# KiCad board A0180_eol_ecu_mix.kicad_pcb (continued)
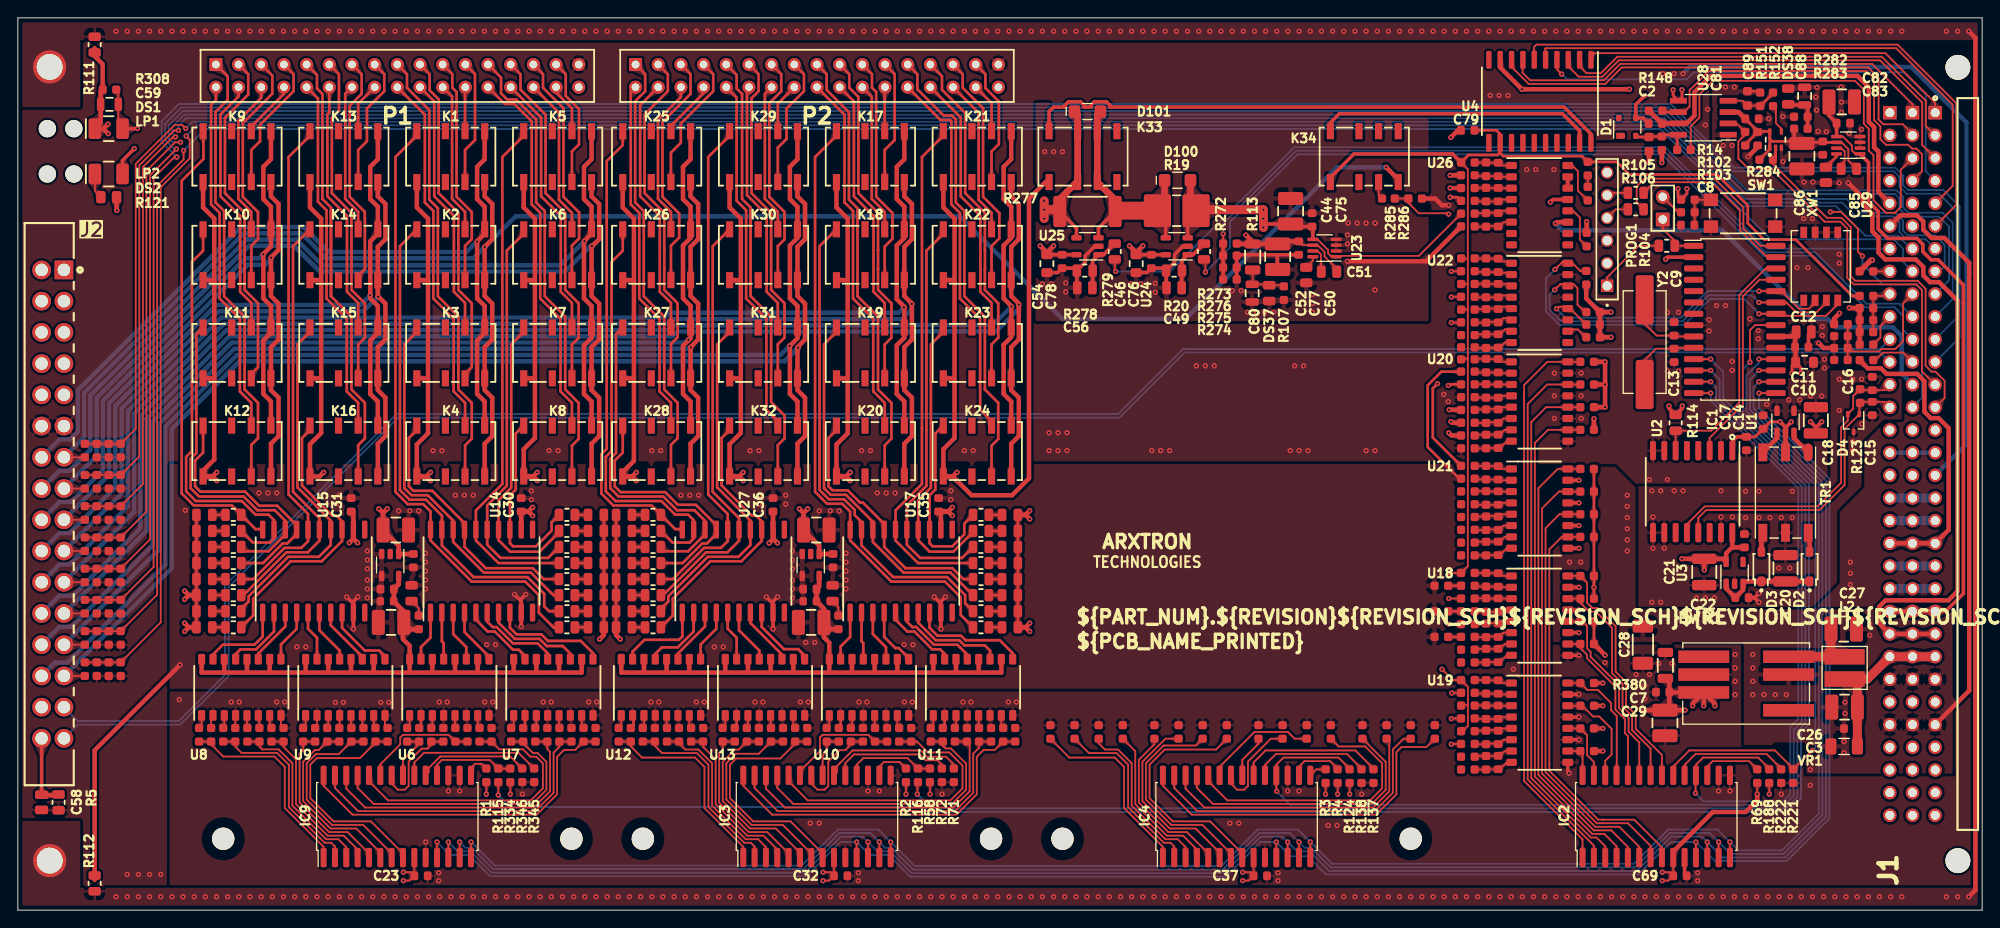
[diagram p0: board, top side]
## Footprints (pads in the part's own frame, mm; a bottom-side part is the same pattern mirrored in y, then rotated) (continued)
RESC1608X65N
  rrect 0.91x0.93 smd: 1(-0.76,0) 2(0.76,0)
RESC1608X65N#2
  rrect 0.91x0.93 smd: 1(-0.71,0) 2(0.71,0)
RESC2012X55N
  rrect 1.06x1.38 smd: 1(-0.88,0) 2(0.88,0)
RESC2012X65N
  rrect 0.96x1.38 smd: 1(-0.885,0) 2(0.885,0)
RESC3116X65N
  rrect 1.02x1.73 smd: 1(-1.455,0) 2(1.455,0)
RESC6331X50
  rrect 1.45x3.5 smd: 1(-3.1,0) 2(3.1,0)
RESC6331X88
  rrect 3.05x3.68 smd: 1(-2.16,0) 2(2.16,0)
SAMTEC_SLW-117-01-X-D
  rect 1.46x1.46 hole 0.86: 1(-20.32,1.27)
  round 1.46 hole 0.86: 2(-20.32,-1.27) 3(-17.78,1.27) 4(-17.78,-1.27) 5(-15.24,1.27) 6(-15.24,-1.27) 7(-12.7,1.27) 8(-12.7,-1.27) 9(-10.16,1.27) 10(-10.16,-1.27) 11(-7.62,1.27) 12(-7.62,-1.27) 13(-5.08,1.27) 14(-5.08,-1.27) 15(-2.54,1.27) 16(-2.54,-1.27) 17(0,1.27) 18(0,-1.27) 19(2.54,1.27) 20(2.54,-1.27) 21(5.08,1.27) 22(5.08,-1.27) 23(7.62,1.27) 24(7.62,-1.27) 25(10.16,1.27) 26(10.16,-1.27) 27(12.7,1.27) 28(12.7,-1.27) 29(15.24,1.27) 30(15.24,-1.27) 31(17.78,1.27) 32(17.78,-1.27) 33(20.32,1.27) 34(20.32,-1.27)
SAMTEC_SSW-106-02-G-S
  rect 1.39x1.39 hole 1.04: 1(0,0)
  round 1.39 hole 1.04: 2(2.54,0) 3(5.08,0) 4(7.62,0) 5(10.16,0) 6(12.7,0)
SOD3716X118
  rrect 1.104x0.849 smd: 1(-1.658,0) 2(1.658,0)
SODFL3516X110
  rrect 1.3x1.4 smd: 1(-1.45,0) 2(1.45,0)
SOIC8P127_508X599X330L65X40
  rect 1.91x0.64 smd: 1(-2.79,1.905) 2(-2.79,0.635) 3(-2.79,-0.635) 4(-2.79,-1.905) 5(2.79,-1.905) 6(2.79,-0.635) 7(2.79,0.635) 8(2.79,1.905)
SOIC28P127_1786X1034X264L83X43N
  rrect 2.16x0.67 smd: 1(-4.61,8.255) 2(-4.61,6.985) 3(-4.61,5.715) 4(-4.61,4.445) 5(-4.61,3.175) 6(-4.61,1.905) 7(-4.61,0.635) 8(-4.61,-0.635) 9(-4.61,-1.905) 10(-4.61,-3.175) 11(-4.61,-4.445) 12(-4.61,-5.715) 13(-4.61,-6.985) 14(-4.61,-8.255) 15(4.61,-8.255) 16(4.61,-6.985) 17(4.61,-5.715) 18(4.61,-4.445) 19(4.61,-3.175) 20(4.61,-1.905) 21(4.61,-0.635) 22(4.61,0.635) 23(4.61,1.905) 24(4.61,3.175) 25(4.61,4.445) 26(4.61,5.715) 27(4.61,6.985) 28(4.61,8.255)
SOIC127P700X220-16
  rrect 1.2x0.8 smd: 1(-3.15,4.445) 2(-3.15,3.175) 3(-3.15,1.905) 4(-3.15,0.635) 5(-3.15,-0.635) 6(-3.15,-1.905) 7(-3.15,-3.175) 8(-3.15,-4.445) 9(3.15,-4.445) 10(3.15,-3.175) 11(3.15,-1.905) 12(3.15,-0.635) 13(3.15,0.635) 14(3.15,1.905) 15(3.15,3.175) 16(3.15,4.445)
SOIC127P1030X265-16
  rrect 2.156x0.659 smd: 1(-4.592,4.445) 2(-4.592,3.175) 3(-4.592,1.905) 4(-4.592,0.635) 5(-4.592,-0.635) 6(-4.592,-1.905) 7(-4.592,-3.175) 8(-4.592,-4.445) 9(4.592,-4.445) 10(4.592,-3.175) 11(4.592,-1.905) 12(4.592,-0.635) 13(4.592,0.635) 14(4.592,1.905) 15(4.592,3.175) 16(4.592,4.445)
SOIC127P1030X265-20
  rrect 2x0.6 smd: 1(-4.65,5.715) 2(-4.65,4.445) 3(-4.65,3.175) 4(-4.65,1.905) 5(-4.65,0.635) 6(-4.65,-0.635) 7(-4.65,-1.905) 8(-4.65,-3.175) 9(-4.65,-4.445) 10(-4.65,-5.715) 11(4.65,-5.715) 12(4.65,-4.445) 13(4.65,-3.175) 14(4.65,-1.905) 15(4.65,-0.635) 16(4.65,0.635) 17(4.65,1.905) 18(4.65,3.175) 19(4.65,4.445) 20(4.65,5.715)
SOT65P210X110-3
  rrect 0.7x0.42 smd: 1(-1,0.65) 2(-1,-0.65) 3(1,0)
SOT65P210X110-5
  rrect 0.71x0.369 smd: 1(-0.91,0.65) 2(-0.91,0) 3(-0.91,-0.65) 4(0.91,-0.65) 5(0.91,0.65)
SOT65P280X100-8
  rrect 1.22x0.4 smd: 1(-1.31,0.975) 2(-1.31,0.325) 3(-1.31,-0.325) 4(-1.31,-0.975) 5(1.31,-0.975) 6(1.31,-0.325) 7(1.31,0.325) 8(1.31,0.975)
SOT95P280X145-5N
  rrect 1.16x0.61 smd: 1(-1.23,0.95) 2(-1.23,0) 3(-1.23,-0.95) 4(1.23,-0.95) 5(1.23,0.95)
SOT143-4P190_230X110L30X43
  rrect 0.7x1 smd: 1(-1,0.75)
  rrect 0.7x0.6 smd: 2(-1,-0.95) 3(1,-0.95) 4(1,0.95)
TE_5536437-4
  round 2.79 hole 2.79 unplated: (-44.45,-2.54) (44.45,-2.54)
  rect 1.508x1.508 hole 1: A1(39.37,0) B1(39.37,2.54) C1(39.37,5.08)
  round 1.508 hole 1: A2(36.83,0) A3(34.29,0) A4(31.75,0) A5(29.21,0) A6(26.67,0) A7(24.13,0) A8(21.59,0) A9(19.05,0) A10(16.51,0) A11(13.97,0) A12(11.43,0) A13(8.89,0) A14(6.35,0) A15(3.81,0) A16(1.27,0) A17(-1.27,0) A18(-3.81,0) A19(-6.35,0) A20(-8.89,0) A21(-11.43,0) A22(-13.97,0) A23(-16.51,0) A24(-19.05,0) A25(-21.59,0) A26(-24.13,0) A27(-26.67,0) A28(-29.21,0) A29(-31.75,0) A30(-34.29,0) A31(-36.83,0) A32(-39.37,0) B2(36.83,2.54) B3(34.29,2.54) B4(31.75,2.54) B5(29.21,2.54) B6(26.67,2.54) B7(24.13,2.54) B8(21.59,2.54) B9(19.05,2.54) B10(16.51,2.54) B11(13.97,2.54) B12(11.43,2.54) B13(8.89,2.54) B14(6.35,2.54) B15(3.81,2.54) B16(1.27,2.54) B17(-1.27,2.54) B18(-3.81,2.54) B19(-6.35,2.54) B20(-8.89,2.54) B21(-11.43,2.54) B22(-13.97,2.54) B23(-16.51,2.54) B24(-19.05,2.54) B25(-21.59,2.54) B26(-24.13,2.54) B27(-26.67,2.54) B28(-29.21,2.54) B29(-31.75,2.54) B30(-34.29,2.54) B31(-36.83,2.54) B32(-39.37,2.54) C2(36.83,5.08) C3(34.29,5.08) C4(31.75,5.08) C5(29.21,5.08) C6(26.67,5.08) C7(24.13,5.08) C8(21.59,5.08) C9(19.05,5.08) C10(16.51,5.08) C11(13.97,5.08) C12(11.43,5.08) C13(8.89,5.08) C14(6.35,5.08) C15(3.81,5.08) C16(1.27,5.08) C17(-1.27,5.08) C18(-3.81,5.08) C19(-6.35,5.08) C20(-8.89,5.08) C21(-11.43,5.08) C22(-13.97,5.08) C23(-16.51,5.08) C24(-19.05,5.08) C25(-21.59,5.08) C26(-24.13,5.08) C27(-26.67,5.08) C28(-29.21,5.08) C29(-31.75,5.08) C30(-34.29,5.08) C31(-36.83,5.08) C32(-39.37,5.08)
TRACO_TCK-131
  rect 4.5x1.75 smd: 1(0,-1.25) 2(0,1.25)
TRACO_TDN_3WISM
  rect 5.7x1.4 smd: 1(4.75,3) 2(4.75,1) 4(4.75,-3) 5(-4.75,3) 6(-4.75,1) 7(-4.75,-1)
VARC3216X170N
  rrect 1.24x1.82 smd: 1(-1.485,0) 2(1.485,0)
WURTH_760390015
  rrect 2x1 smd: 1(-4.505,2.54)
  rect 2x1 smd: 2(-4.505,0) 3(-4.505,-2.54) 4(4.505,-2.54) 5(4.505,0) 6(4.505,2.54)
WURTH_61300211121
  rect 1.54x1.54 hole 0.95: 1(0,0)
  round 1.54 hole 0.95: 2(2.54,0)
XTAL1140X470X430
  rrect 5.5x2 smd: 1(-4.75,0) 2(4.75,0)

## Nets
/3V3: C7.1 C10.1 C11.1 C12.1 C14.1 C17.1 C18.1 C23.1 C29.1 C32.1 C37.1 C69.1 IC1.20 IC2.9 IC3.9 IC4.9 IC9.9 PROG1.2 PWR1.7 R1.2 R2.2 R3.1 R4.1 R58.2 R69.2 R102.2 R114.1 R124.2 R142.1 R188.2 R195.1 R196.1 R197.1 R198.1 R199.1 R200.1 R201.1 R202.1 R229.1 R230.1 R231.1 R232.1 R233.1 R234.1 R235.1 R236.1 R265.1 R266.1 R267.1 R268.1 R334.2 R380.1 TR1.2 U1.2 U2.1
/5V_NI: C2.1 J1.C5 R148.2 R211.1 U28.7
/24V_PWR: C3.1 C24.2 C26.1 C30.2 C31.2 C33.2 C35.2 C36.2 C60.1 C65.1 C79.1 DS3.2 DS4.2 DS5.2 DS6.2 DS7.2 DS8.2 DS9.2 DS10.2 DS11.2 DS12.2 DS13.2 DS14.2 DS15.2 DS16.2 DS17.2 DS18.2 DS19.2 DS20.2 DS21.2 DS22.2 DS23.2 DS24.2 DS25.2 DS26.2 DS27.2 DS28.2 DS29.2 DS30.2 DS31.2 DS32.2 DS33.2 DS34.2 J1.A25 J1.B25 J1.C25 K1.1 K2.1 K3.1 K4.1 K5.1 K6.1 K7.1 K8.1 K9.1 K10.1 K11.1 K12.1 K13.1 K14.1 K15.1 K16.1 K17.1 K18.1 K19.1 K20.1 K21.1 K22.1 K23.1 K24.1 K25.1 K26.1 K27.1 K28.1 K29.1 K30.1 K31.1 K32.1 K33.1 K34.1 L2.1 R6.1 R17.2 R147.2 R171.1 R173.1 R175.1 R179.1 R181.1 R183.1 R203.1 R253.1 R255.1 R257.1 U4.12 U5.1 U14.12 U15.12 U16.1 U17.12 U27.12 VR1.1
/CAN/5V_ISO: C19.2 C21.1 U2.16 U3.5
/CURRENT_MEAS/5V_AMP: C46.2 C51.2 C52.1 C54.2 C76.2 C77.2 C78.2 R113.2 R273.1 U23.6 U24.5 U25.5
/DC&RSU_SIM_CTRL/5V_SIM: C81.1 C85.2 C86.1 C87.2 C90.1 R150.2 R283.2 R284.2 U28.3 U29.6 U30.1 U30.5
/IO_EXPANDER_#1/5V_CTRL: C25.2 C62.1 C64.2 R139.1 U5.5 U6.10 U6.12 U6.14 U6.16 U7.10 U7.12 U7.14 U7.16 U8.10 U8.12 U8.14 U8.16 U9.10 U9.12 U9.14 U9.16
/IO_EXPANDER_#2/5V_CTRL: C34.2 C67.1 C70.2 R140.1 U10.10 U10.12 U10.14 U10.16 U11.10 U11.12 U11.14 U11.16 U12.10 U12.12 U12.14 U12.16 U13.10 U13.12 U13.14 U13.16 U16.5
GND_3V3: C7.2 C8.2 C9.2 C10.2 C11.2 C12.2 C13.2 C14.2 C17.2 C18.2 C23.2 C28.2 C29.2 C32.2 C37.2 C69.2 IC1.8 IC1.19 IC2.10 IC2.15 IC2.16 IC3.10 IC3.15 IC3.17 IC4.10 IC4.17 IC9.10 IC9.16 IC9.17 PROG1.3 PWR1.6 R53.2 R54.2 R55.2 R56.2 R57.2 R59.2 R60.2 R61.2 R62.2 R63.2 R64.2 R65.2 R66.2 R67.2 R68.2 R70.2 R71.2 R72.2 R117.2 R118.2 R119.2 R120.2 R121.2 R122.2 R125.2 R126.2 R127.2 R128.2 R129.2 R130.2 R131.2 R133.2 R134.2 R135.2 R136.2 R137.2 R138.2 R143.1 R221.2 R222.2 R328.2 R329.2 R330.2 R331.2 R332.2 R333.2 R335.2 R336.2 R337.2 R338.2 R339.2 R340.2 R341.2 R342.2 R343.2 R344.2 R345.2 R346.2 R380.2 SW1.1 SW1.2 U1.4 U1.5 U2.2 U2.7 U2.8 U6.2 U6.4 U6.6 U6.8 U7.2 U7.4 U7.6 U7.8 U8.2 U8.4 U8.6 U8.8 U9.2 U9.4 U9.6 U9.8 U10.2 U10.4 U10.6 U10.8 U11.2 U11.4 U11.6 U11.8 U12.2 U12.4 U12.6 U12.8 U13.2 U13.4 U13.6 U13.8 U18.9 U18.11 U18.13 U18.15 U19.9 U19.11 U19.13 U19.15 U20.9 U20.11 U20.13 U20.15 U21.9 U21.11 U21.13 U21.15 U22.11 U22.13 U22.15 XW1.A1 XW1.A2 XW1.A3
GND_24V: C1.1 C2.2 C3.2 C24.1 C25.1 C26.2 C27.2 C28.1 C30.1 C31.1 C33.1 C34.1 C35.1 C36.1 C59.2 C60.2 C62.2 C64.1 C65.2 C67.2 C70.1 C79.2 D1.3 DS1.1 DS35.1 DS36.1 J1.A26 J1.A28 J1.B26 J1.B28 J1.C6 J1.C26 J1.C28 PWR1.2 R13.2 R15.1 R16.1 R18.1 R111.2 R112.2 R141.1 R149.2 R204.1 R212.1 R269.2 R270.2 R271.2 R308.2 U4.9 U5.3 U5.4 U14.9 U15.9 U16.3 U16.4 U17.9 U27.9 U28.5 VR1.2
GND_CAN: C15.2 C16.2 C19.1 C20.2 C21.2 C22.2 D4.3 TR1.5 U2.9 U2.10 U2.15 U3.2
GND_ESD: FP1.M1 FP1.M2 R111.1 R112.1
GND_PS: C58.1 J1.A15 J1.A17 J1.B15 J1.B17 J1.C15 J1.C17 J2.11 J2.12 P1.33 P2.33 R5.1 R7.1 R8.1 R10.1 R158.2 R160.2 R162.2 R164.2 R165.2 R166.2 R167.2 R168.2 R169.2 R170.2 R206.1 R210.1 R237.2 R238.2 R240.2 R242.2 R244.2 R246.2 R247.2 R248.2 R249.2 R250.2 R251.2 R252.2 R280.2 R281.2 R286.1
GND_SIM: C81.2 C82.2 C83.1 C84.1 C86.2 C87.1 C88.1 C89.1 C90.2 DS38.1 J1.A24 J1.B24 J1.C24 R151.2 R208.1 R282.1 U28.1 U29.2 U29.3 U29.4 U30.3
/AI#1+: J1.A7 R157.2 R158.1 R165.1 R169.1
/AI#1-: J1.A8 R159.2 R160.1 R166.1 R170.1
/AI#2+: J1.A9 R161.2 R162.1 R167.1 R237.1
/AI#2-: J1.A10 R163.2 R164.1 R168.1 R238.1
/AI#3+: J1.A11 R239.2 R240.1 R247.1 R251.1
/AI#3-: J1.A12 R241.2 R242.1 R248.1 R252.1
/AI#4+: J1.B7 R245.2 R246.1 R250.1 R281.1
/AI#4-: J1.B8 R243.2 R244.1 R249.1 R280.1
/AI#5+: J1.B9 R7.2 R8.2 R9.1 R10.2
/AI#5-: J1.B10 R273.2 R274.2 R275.2 R276.2
/AI#6+: J1.B11 R272.2
/AI#6-: J1.B12 R11.1
/AI#7+: J1.C7 R279.2
/AI#7-: J1.C8 R12.1
/AI#8+: J1.C9 R15.2 R16.2 R17.1 R18.2
/AI#8-: J1.C10 R13.1
/APFI0: J1.B14 R285.1 R286.2
/AUX_PWR: J1.A22 J1.B22 J1.C22 R209.1
/CAN/ECAN0Rx: IC1.25 U2.3
/CAN/ECAN0Tx: IC1.26 R114.2 U2.6
/CFG_CH#0: J2.13 K1.4 K2.4 K3.4 K4.4 K34.4 R157.1
/CFG_CH#1: J2.15 K5.4 K6.4 K7.4 K8.4 R159.1
/CFG_CH#2: J2.17 K9.4 K10.4 K11.4 K12.4 R161.1
/CFG_CH#3: J2.19 K13.4 K14.4 K15.4 K16.4 R163.1
/CFG_CH#4: J2.21 K17.4 K18.4 K19.4 K20.4 R239.1
/CFG_CH#5: J2.23 K21.4 K22.4 K23.4 K24.4 R241.1
/CFG_CH#6: J2.25 K25.4 K26.4 K27.4 K28.4 R243.1
/CFG_CH#7: J2.27 K29.4 K30.4 K31.4 K32.4 R245.1
/CFG_CH[0..3]/CFG_CH#0.0: K1.3 P1.23
/CFG_CH[0..3]/CFG_CH#0.1: K2.3 P1.21
/CFG_CH[0..3]/CFG_CH#0.2: K3.3 P1.19
/CFG_CH[0..3]/CFG_CH#0.3: K4.3 P1.17
/CFG_CH[0..3]/CFG_CH#1.0: K5.3 P1.31
/CFG_CH[0..3]/CFG_CH#1.1: K6.3 P1.29
/CFG_CH[0..3]/CFG_CH#1.2: K7.3 P1.27
/CFG_CH[0..3]/CFG_CH#1.3: K8.3 P1.25
/CFG_CH[0..3]/CFG_CH#2.0: K9.3 P1.7
/CFG_CH[0..3]/CFG_CH#2.1: K10.3 P1.5
/CFG_CH[0..3]/CFG_CH#2.2: K11.3 P1.3
/CFG_CH[0..3]/CFG_CH#2.3: K12.3 P1.1
/CFG_CH[0..3]/CFG_CH#4.0: K13.3 P1.15
/CFG_CH[0..3]/CFG_CH#4.1: K14.3 P1.13
/CFG_CH[0..3]/CFG_CH#4.2: K15.3 P1.11
/CFG_CH[0..3]/CFG_CH#4.3: K16.3 P1.9
/CFG_CH[0..3]/RTN_CFG_CH#0.0: K1.6 P1.24
/CFG_CH[0..3]/RTN_CFG_CH#0.1: K2.6 P1.22
/CFG_CH[0..3]/RTN_CFG_CH#0.2: K3.6 P1.20
/CFG_CH[0..3]/RTN_CFG_CH#0.3: K4.6 P1.18
/CFG_CH[0..3]/RTN_CFG_CH#1.0: K5.6 P1.32
/CFG_CH[0..3]/RTN_CFG_CH#1.1: K6.6 P1.30
/CFG_CH[0..3]/RTN_CFG_CH#1.2: K7.6 P1.28
/CFG_CH[0..3]/RTN_CFG_CH#1.3: K8.6 P1.26
/CFG_CH[0..3]/RTN_CFG_CH#2.0: K9.6 P1.8
/CFG_CH[0..3]/RTN_CFG_CH#2.1: K10.6 P1.6
/CFG_CH[0..3]/RTN_CFG_CH#2.2: K11.6 P1.4
/CFG_CH[0..3]/RTN_CFG_CH#2.3: K12.6 P1.2
/CFG_CH[0..3]/RTN_CFG_CH#4.0: K13.6 P1.16
/CFG_CH[0..3]/RTN_CFG_CH#4.1: K14.6 P1.14
/CFG_CH[0..3]/RTN_CFG_CH#4.2: K15.6 P1.12
/CFG_CH[0..3]/RTN_CFG_CH#4.3: K16.6 P1.10
/CFG_CH[4..7]/CFG_CH#0.0: K17.3 P2.23
/CFG_CH[4..7]/CFG_CH#0.1: K18.3 P2.21
/CFG_CH[4..7]/CFG_CH#0.2: K19.3 P2.19
/CFG_CH[4..7]/CFG_CH#0.3: K20.3 P2.17
/CFG_CH[4..7]/CFG_CH#1.0: K21.3 P2.31
/CFG_CH[4..7]/CFG_CH#1.1: K22.3 P2.29
/CFG_CH[4..7]/CFG_CH#1.2: K23.3 P2.27
/CFG_CH[4..7]/CFG_CH#1.3: K24.3 P2.25
/CFG_CH[4..7]/CFG_CH#2.0: K25.3 P2.7
/CFG_CH[4..7]/CFG_CH#2.1: K26.3 P2.5
/CFG_CH[4..7]/CFG_CH#2.2: K27.3 P2.3
/CFG_CH[4..7]/CFG_CH#2.3: K28.3 P2.1
/CFG_CH[4..7]/CFG_CH#4.0: K29.3 P2.15
/CFG_CH[4..7]/CFG_CH#4.1: K30.3 P2.13
/CFG_CH[4..7]/CFG_CH#4.2: K31.3 P2.11
/CFG_CH[4..7]/CFG_CH#4.3: K32.3 P2.9
/CFG_CH[4..7]/RTN_CFG_CH#0.0: K17.6 P2.24
/CFG_CH[4..7]/RTN_CFG_CH#0.1: K18.6 P2.22
/CFG_CH[4..7]/RTN_CFG_CH#0.2: K19.6 P2.20
/CFG_CH[4..7]/RTN_CFG_CH#0.3: K20.6 P2.18
/CFG_CH[4..7]/RTN_CFG_CH#1.0: K21.6 P2.32
/CFG_CH[4..7]/RTN_CFG_CH#1.1: K22.6 P2.30
/CFG_CH[4..7]/RTN_CFG_CH#1.2: K23.6 P2.28
/CFG_CH[4..7]/RTN_CFG_CH#1.3: K24.6 P2.26
/CFG_CH[4..7]/RTN_CFG_CH#2.0: K25.6 P2.8
/CFG_CH[4..7]/RTN_CFG_CH#2.1: K26.6 P2.6
/CFG_CH[4..7]/RTN_CFG_CH#2.2: K27.6 P2.4
/CFG_CH[4..7]/RTN_CFG_CH#2.3: K28.6 P2.2
/CFG_CH[4..7]/RTN_CFG_CH#4.0: K29.6 P2.16
/CFG_CH[4..7]/RTN_CFG_CH#4.1: K30.6 P2.14
/CFG_CH[4..7]/RTN_CFG_CH#4.2: K31.6 P2.12
/CFG_CH[4..7]/RTN_CFG_CH#4.3: K32.6 P2.10
/CURRENT_MEAS/PSa: D100.1 D101.2 K33.3 K33.6 R19.2 R277.1 U24.4 U25.3
/DIO#0: J1.A1 U4.1
/DIO#1: J1.A2 U4.2
/DIO#2: J1.A3 U4.3
/DIO#3: J1.A4 U4.4
/DIO#4: J1.A5 U4.5
/DIO#5: J1.A6 U4.6
/DIO#6: J1.B1 U4.7
/DIO#7: J1.B2 U4.8
/DIO#8: J1.B3 R14.1
/DIO#9: J1.B4 R148.1 U28.6
/DIO#10: J1.B5
/DIO#11: J1.B6
/DIO#12: J1.C1
/DIO#13: J1.C2
/DIO#14: J1.C3
/DIO#15: J1.C4
/DUT_CAN+: J1.C12 J2.31
/DUT_CAN-: J1.C11 J2.29
/DUT_CAN_SHIELD: C58.2 J2.32 R5.2
/DUT_PWR: J1.A16 J1.B16 J1.C16 J2.9 J2.10 P1.34 P2.34 R9.2 R205.1
/DUT_PWR_ON: J1.B13 U26.11
/FUNC_ID_BIT1: R172.1 R269.1
/FUNC_ID_BIT2: R174.1 R270.1
/FUNC_ID_BIT3: R176.1 R271.1
/IO_CAN+: C15.1 D4.1 J1.C14 R123.1 U2.13
/IO_CAN-: C16.1 D4.2 J1.C13 R123.2 U2.12
/IO_EXPANDER_#1/A0: IC9.15 R1.1
/IO_EXPANDER_#1/GPA0: IC9.21 R21.1 R328.1
/IO_EXPANDER_#1/GPA1: IC9.22 R22.1 R329.1
/IO_EXPANDER_#1/GPA2: IC9.23 R23.1 R330.1
/IO_EXPANDER_#1/GPA3: IC9.24 R24.1 R331.1
/IO_EXPANDER_#1/GPA4: IC9.25 R25.1 R332.1
/IO_EXPANDER_#1/GPA5: IC9.26 R26.1 R333.1
/IO_EXPANDER_#1/GPA6: IC9.27 R27.1 R335.1
/IO_EXPANDER_#1/GPA7: IC9.28 R28.1 R336.1
/IO_EXPANDER_#1/GPB0: IC9.1 R29.1 R337.1
/IO_EXPANDER_#1/GPB1: IC9.2 R30.1 R338.1
/IO_EXPANDER_#1/GPB2: IC9.3 R31.1 R339.1
/IO_EXPANDER_#1/GPB3: IC9.4 R32.1 R340.1
/IO_EXPANDER_#1/GPB4: IC9.5 R33.1 R341.1
/IO_EXPANDER_#1/GPB5: IC9.6 R34.1 R342.1
/IO_EXPANDER_#1/GPB6: IC9.7 R35.1 R343.1
/IO_EXPANDER_#1/GPB7: IC9.8 R36.1 R344.1
/IO_EXPANDER_#1/INTA: IC9.20 R345.1
/IO_EXPANDER_#1/INTB: IC9.19 R346.1
/IO_EXPANDER_#1/ISO_GPA0: U6.15 U14.1
/IO_EXPANDER_#1/ISO_GPA0a: K1.8 R37.1 U14.20
/IO_EXPANDER_#1/ISO_GPA1: U6.13 U14.2
/IO_EXPANDER_#1/ISO_GPA1a: K2.8 R38.1 U14.19
/IO_EXPANDER_#1/ISO_GPA2: U6.11 U14.3
/IO_EXPANDER_#1/ISO_GPA2a: K3.8 R39.1 U14.18
/IO_EXPANDER_#1/ISO_GPA3: U6.9 U14.4
/IO_EXPANDER_#1/ISO_GPA3a: K4.8 R40.1 U14.17
/IO_EXPANDER_#1/ISO_GPA4: U7.15 U14.5
/IO_EXPANDER_#1/ISO_GPA4a: K5.8 R41.1 U14.16
/IO_EXPANDER_#1/ISO_GPA5: U7.13 U14.6
/IO_EXPANDER_#1/ISO_GPA5a: K6.8 R42.1 U14.15
/IO_EXPANDER_#1/ISO_GPA6: U7.11 U14.7
/IO_EXPANDER_#1/ISO_GPA6a: K7.8 R43.1 U14.14
/IO_EXPANDER_#1/ISO_GPA7: U7.9 U14.8
/IO_EXPANDER_#1/ISO_GPA7a: K8.8 R44.1 U14.13
/IO_EXPANDER_#1/ISO_GPB0: U8.15 U15.1
/IO_EXPANDER_#1/ISO_GPB0a: K9.8 R45.1 U15.20
/IO_EXPANDER_#1/ISO_GPB1: U8.13 U15.2
/IO_EXPANDER_#1/ISO_GPB1a: K10.8 R46.1 U15.19
/IO_EXPANDER_#1/ISO_GPB2: U8.11 U15.3
/IO_EXPANDER_#1/ISO_GPB2a: K11.8 R47.1 U15.18
/IO_EXPANDER_#1/ISO_GPB3: U8.9 U15.4
/IO_EXPANDER_#1/ISO_GPB3a: K12.8 R48.1 U15.17
/IO_EXPANDER_#1/ISO_GPB4: U9.15 U15.5
/IO_EXPANDER_#1/ISO_GPB4a: K13.8 R49.1 U15.16
/IO_EXPANDER_#1/ISO_GPB5: U9.13 U15.6
/IO_EXPANDER_#1/ISO_GPB5a: K14.8 R50.1 U15.15
/IO_EXPANDER_#1/ISO_GPB6: U9.11 U15.7
/IO_EXPANDER_#1/ISO_GPB6a: K15.8 R51.1 U15.14
/IO_EXPANDER_#1/ISO_GPB7: U9.9 U15.8
/IO_EXPANDER_#1/ISO_GPB7a: K16.8 R52.1 U15.13
/IO_EXPANDER_#2/A1: IC3.16 R2.1
/IO_EXPANDER_#2/GPA0: IC3.21 R53.1 R73.1
/IO_EXPANDER_#2/GPA1: IC3.22 R54.1 R74.1
/IO_EXPANDER_#2/GPA2: IC3.23 R55.1 R75.1
/IO_EXPANDER_#2/GPA3: IC3.24 R56.1 R76.1
/IO_EXPANDER_#2/GPA4: IC3.25 R57.1 R77.1
/IO_EXPANDER_#2/GPA5: IC3.26 R59.1 R78.1
/IO_EXPANDER_#2/GPA6: IC3.27 R60.1 R79.1
/IO_EXPANDER_#2/GPA7: IC3.28 R61.1 R80.1
/IO_EXPANDER_#2/GPB0: IC3.1 R62.1 R81.1
/IO_EXPANDER_#2/GPB1: IC3.2 R63.1 R82.1
/IO_EXPANDER_#2/GPB2: IC3.3 R64.1 R83.1
/IO_EXPANDER_#2/GPB3: IC3.4 R65.1 R84.1
/IO_EXPANDER_#2/GPB4: IC3.5 R66.1 R85.1
/IO_EXPANDER_#2/GPB5: IC3.6 R67.1 R86.1
/IO_EXPANDER_#2/GPB6: IC3.7 R68.1 R87.1
/IO_EXPANDER_#2/GPB7: IC3.8 R70.1 R88.1
/IO_EXPANDER_#2/INTA: IC3.20 R71.1
/IO_EXPANDER_#2/INTB: IC3.19 R72.1
/IO_EXPANDER_#2/ISO_GPA0: U10.15 U17.1
/IO_EXPANDER_#2/ISO_GPA0a: K17.8 R89.1 U17.20
/IO_EXPANDER_#2/ISO_GPA1: U10.13 U17.2
/IO_EXPANDER_#2/ISO_GPA1a: K18.8 R90.1 U17.19
/IO_EXPANDER_#2/ISO_GPA2: U10.11 U17.3
/IO_EXPANDER_#2/ISO_GPA2a: K19.8 R91.1 U17.18
/IO_EXPANDER_#2/ISO_GPA3: U10.9 U17.4
/IO_EXPANDER_#2/ISO_GPA3a: K20.8 R92.1 U17.17
/IO_EXPANDER_#2/ISO_GPA4: U11.15 U17.5
/IO_EXPANDER_#2/ISO_GPA4a: K21.8 R93.1 U17.16
/IO_EXPANDER_#2/ISO_GPA5: U11.13 U17.6
/IO_EXPANDER_#2/ISO_GPA5a: K22.8 R94.1 U17.15
/IO_EXPANDER_#2/ISO_GPA6: U11.11 U17.7
/IO_EXPANDER_#2/ISO_GPA6a: K23.8 R95.1 U17.14
/IO_EXPANDER_#2/ISO_GPA7: U11.9 U17.8
/IO_EXPANDER_#2/ISO_GPA7a: K24.8 R96.1 U17.13
/IO_EXPANDER_#2/ISO_GPB0: U12.15 U27.1
/IO_EXPANDER_#2/ISO_GPB0a: K25.8 R97.1 U27.20
/IO_EXPANDER_#2/ISO_GPB1: U12.13 U27.2
/IO_EXPANDER_#2/ISO_GPB1a: K26.8 R98.1 U27.19
/IO_EXPANDER_#2/ISO_GPB2: U12.11 U27.3
/IO_EXPANDER_#2/ISO_GPB2a: K27.8 R99.1 U27.18
/IO_EXPANDER_#2/ISO_GPB3: U12.9 U27.4
/IO_EXPANDER_#2/ISO_GPB3a: K28.8 R100.1 U27.17
/IO_EXPANDER_#2/ISO_GPB4: U13.15 U27.5
/IO_EXPANDER_#2/ISO_GPB4a: K29.8 R101.1 U27.16
/IO_EXPANDER_#2/ISO_GPB5: U13.13 U27.6
/IO_EXPANDER_#2/ISO_GPB5a: K30.8 R108.1 U27.15
/IO_EXPANDER_#2/ISO_GPB6: U13.11 U27.7
/IO_EXPANDER_#2/ISO_GPB6a: K31.8 R109.1 U27.14
/IO_EXPANDER_#2/ISO_GPB7: U13.9 U27.8
/IO_EXPANDER_#2/ISO_GPB7a: K32.8 R110.1 U27.13
/IO_EXPANDER_#3/A0: IC4.15 R3.2
/IO_EXPANDER_#3/A1: IC4.16 R4.2
/IO_EXPANDER_#3/GPA0: IC4.21 R117.1
/IO_EXPANDER_#3/GPA1: IC4.22 R118.1
/IO_EXPANDER_#3/GPA2: IC4.23 R119.1
/IO_EXPANDER_#3/GPA3: IC4.24 R120.1
/IO_EXPANDER_#3/GPA4: IC4.25 R122.1
/IO_EXPANDER_#3/GPA5: IC4.26 R125.1
/IO_EXPANDER_#3/GPA6: IC4.27 R126.1
/IO_EXPANDER_#3/GPA7: IC4.28 R127.1
/IO_EXPANDER_#3/GPB0: IC4.1 R128.1
/IO_EXPANDER_#3/GPB1: IC4.2 R129.1
/IO_EXPANDER_#3/GPB2: IC4.3 R130.1
/IO_EXPANDER_#3/GPB3: IC4.4 R131.1
/IO_EXPANDER_#3/GPB4: IC4.5 R133.1
/IO_EXPANDER_#3/GPB5: IC4.6 R134.1
/IO_EXPANDER_#3/GPB6: IC4.7 R135.1
/IO_EXPANDER_#3/GPB7: IC4.8 R136.1
/IO_EXPANDER_#3/INTA: IC4.20 R137.1
/IO_EXPANDER_#3/INTB: IC4.19 R138.1
/IO_EXPANDER_#4/A2: IC2.17 R69.1
/IO_EXPANDER_#4/GPA0: IC2.21 R195.2 U18.16
/IO_EXPANDER_#4/GPA1: IC2.22 R197.2 U18.14
/IO_EXPANDER_#4/GPA2: IC2.23 R199.2 U18.12
/IO_EXPANDER_#4/GPA3: IC2.24 R201.2 U18.10
/IO_EXPANDER_#4/GPA4: IC2.25 R196.2 U19.16
/IO_EXPANDER_#4/GPA5: IC2.26 R198.2 U19.14
/IO_EXPANDER_#4/GPA6: IC2.27 R200.2 U19.12
/IO_EXPANDER_#4/GPA7: IC2.28 R202.2 U19.10
/IO_EXPANDER_#4/GPB0: IC2.1 R229.2 U20.16
/IO_EXPANDER_#4/GPB1: IC2.2 R231.2 U20.14
/IO_EXPANDER_#4/GPB2: IC2.3 R233.2 U20.12
/IO_EXPANDER_#4/GPB3: IC2.4 R235.2 U20.10
/IO_EXPANDER_#4/GPB4: IC2.5 R230.2 U21.16
/IO_EXPANDER_#4/GPB5: IC2.6 R232.2 U21.14
/IO_EXPANDER_#4/GPB6: IC2.7 R234.2 U21.12
/IO_EXPANDER_#4/GPB7: IC2.8 R236.2 U21.10
/IO_EXPANDER_#4/IN_A3+: R177.1
/IO_EXPANDER_#4/IN_A3-: R178.1
/IO_EXPANDER_#4/IN_A7+: R185.1
/IO_EXPANDER_#4/IN_A7-: R186.1
/IO_EXPANDER_#4/IN_B5+: R213.1
/IO_EXPANDER_#4/IN_B5-: R214.1
/IO_EXPANDER_#4/IN_B6+: R215.1
/IO_EXPANDER_#4/IN_B6-: R216.1
/IO_EXPANDER_#4/IN_B7+: R217.1
/IO_EXPANDER_#4/IN_B7-: R218.1
/IO_EXPANDER_#4/INTB: IC2.19 R222.1
/IOCB0_#4: IC1.21 IC2.20 R221.1
/MISO: IC1.18 IC2.14 IC3.14 IC4.14 IC9.14
/MOSI: IC1.17 IC2.13 IC3.13 IC4.13 IC9.13
/nCS: IC1.15 IC2.11 IC3.11 IC4.11 IC9.11
/nRST1: IC9.18 R115.2 R334.1
/nRST2: IC3.18 R58.1 R116.2
/nRST3: IC1.13 IC4.18 R124.1
/nRST4: IC1.14 IC2.18 R188.1
/OUT_PS+: D101.1 J2.3 J2.4 K33.2 K33.7 R277.2 U25.4
/PIC18F26K83/nRST1a: IC1.11 R115.1
/PIC18F26K83/nRST2a: IC1.12 R116.1
/PIC18F26K83/OSC1: C9.1 IC1.9 Y2.1
/PIC18F26K83/OSC2: C13.1 IC1.10 Y2.2
/PIC18F26K83/PGC: PROG1.5 R105.1
/PIC18F26K83/PGD: PROG1.4 R106.1
/PIC18F26K83/~{MCLR_1}: PROG1.1 R104.1
/PIC18F26K83/~{MCLR}: IC1.1 JP1.1 R104.2
/POS_ID_BIT1: IC1.22 R265.2 U22.16 XW1.B1
/POS_ID_BIT2: IC1.23 R266.2 U22.14 XW1.B2
/POS_ID_BIT3: IC1.24 R267.2 U22.12 XW1.B3
/PS+: C44.1 C75.2 D100.2 J1.A19 J1.B19 J1.C19 R19.1 R153.1 U23.1 U23.5 U24.3
/PS-: C44.2 C46.1 C49.1 C50.1 C52.2 C54.1 C56.1 C75.1 C76.1 C77.1 C78.1 C80.1 DS37.1 J1.A20 J1.B20 J1.C20 J2.5 J2.6 R11.2 R12.2 R20.2 R107.1 R154.1 R274.1 R275.1 R276.1 R278.2 U23.2 U23.3 U23.4 U24.2 U25.2
/PSs+: J1.A18 J1.B18 J1.C18 J2.1 J2.2
/PSs-: J1.A21 J1.B21 J1.C21 J2.7 J2.8
/RTN_CFG_CH#0: J2.14 K1.5 K2.5 K3.5 K4.5
/RTN_CFG_CH#1: J2.16 K5.5 K6.5 K7.5 K8.5
/RTN_CFG_CH#2: J2.18 K9.5 K10.5 K11.5 K12.5
/RTN_CFG_CH#3: J2.20 K13.5 K14.5 K15.5 K16.5
/RTN_CFG_CH#4: J2.22 K17.5 K18.5 K19.5 K20.5
/RTN_CFG_CH#5: J2.24 K21.5 K22.5 K23.5 K24.5
/RTN_CFG_CH#6: J2.26 K25.5 K26.5 K27.5 K28.5
/RTN_CFG_CH#7: J2.28 K29.5 K30.5 K31.5 K32.5
/RTSIa: J1.A14 R284.1 U30.2
/SCK: IC1.16 IC2.12 IC3.12 IC4.12 IC9.12
/SIM_PWR: C82.1 C83.2 J1.A23 J1.B23 J1.C23 R156.2 R207.1 U29.1 U29.5
/SLOT_ID_BIT1: J1.A31 R254.1
/SLOT_ID_BIT2: J1.A32 R256.1
/SLOT_ID_BIT3: J1.B31 R258.1
/SLOT_ID_BIT4: J1.B32 R180.1
/SLOT_ID_BIT5: J1.C31 R182.1
/SLOT_ID_BIT6: J1.C32 R184.1
/TRIGa: J1.A13 R150.1 U28.2
Net-(C4-Pad1): C4.1 R6.2 R144.1 U26.1
Net-(C4-Pad2): C4.2 R141.2 R144.2 U26.2
Net-(C5-Pad1): C5.1 R142.2 R145.1 U26.3
Net-(C5-Pad2): C5.2 R143.2 R145.2 U26.4
Net-(C6-Pad1): C6.1 R153.2 R155.1 U26.5
Net-(C6-Pad2): C6.2 R154.2 R155.2 U26.6
Net-(C8-Pad1): C8.1 R102.1 R103.1 SW1.3
Net-(C38-Pad1): C38.1 R132.1 R171.2 U18.1
Net-(C38-Pad2): C38.2 R132.2 R172.2 U18.2
Net-(C39-Pad1): C39.1 R173.2 R187.1 U18.3
Net-(C39-Pad2): C39.2 R174.2 R187.2 U18.4
Net-(C40-Pad1): C40.1 R175.2 R189.1 U18.5
Net-(C40-Pad2): C40.2 R176.2 R189.2 U18.6
Net-(C41-Pad1): C41.1 R177.2 R190.1 U18.7
Net-(C41-Pad2): C41.2 R178.2 R190.2 U18.8
Net-(C42-Pad1): C42.1 R179.2 R191.1 U19.1
Net-(C42-Pad2): C42.2 R180.2 R191.2 U19.2
Net-(C43-Pad1): C43.1 R181.2 R192.1 U19.3
Net-(C43-Pad2): C43.2 R182.2 R192.2 U19.4
Net-(C45-Pad1): C45.1 R183.2 R193.1 U19.5
Net-(C45-Pad2): C45.2 R184.2 R193.2 U19.6
Net-(C47-Pad1): C47.1 R185.2 R194.1 U19.7
Net-(C47-Pad2): C47.2 R186.2 R194.2 U19.8
Net-(C48-Pad1): C48.1 R203.2 R219.1 U20.1
Net-(C48-Pad2): C48.2 R204.2 R219.2 U20.2
Net-(C49-Pad2): C49.2 R20.1 R272.1 U24.1
Net-(C53-Pad1): C53.1 R205.2 R220.1 U20.3
Net-(C53-Pad2): C53.2 R206.2 R220.2 U20.4
Net-(C55-Pad1): C55.1 R207.2 R223.1 U20.5
Net-(C55-Pad2): C55.2 R208.2 R223.2 U20.6
Net-(C56-Pad2): C56.2 R278.1 R279.1 U25.1
Net-(C57-Pad1): C57.1 R209.2 R224.1 U20.7
Net-(C57-Pad2): C57.2 R210.2 R224.2 U20.8
Net-(C61-Pad1): C61.1 R211.2 R225.1 U21.1
Net-(C61-Pad2): C61.2 R212.2 R225.2 U21.2
Net-(C63-Pad1): C63.1 R213.2 R226.1 U21.3
Net-(C63-Pad2): C63.2 R214.2 R226.2 U21.4
Net-(C66-Pad1): C66.1 R215.2 R227.1 U21.5
Net-(C66-Pad2): C66.2 R216.2 R227.2 U21.6
Net-(C68-Pad1): C68.1 R217.2 R228.1 U21.7
Net-(C68-Pad2): C68.2 R218.2 R228.2 U21.8
Net-(C71-Pad1): C71.1 R253.2 R261.1 U22.1
Net-(C71-Pad2): C71.2 R254.2 R261.2 U22.2
Net-(C72-Pad1): C72.1 R255.2 R262.1 U22.3
Net-(C72-Pad2): C72.2 R256.2 R262.2 U22.4
Net-(C73-Pad1): C73.1 R257.2 R263.1 U22.5
Net-(C73-Pad2): C73.2 R258.2 R263.2 U22.6
Net-(C74-Pad1): C74.1 R259.2 R264.1 U22.7
Net-(C74-Pad2): C74.2 R260.2 R264.2 U22.8
Net-(C89-Pad2): C89.2 R151.1 R152.2 U28.4
Net-(D1B-C): C1.2 D1.2 R14.2 R149.1 U28.8
Net-(D2-A): D2.2 TR1.6
Net-(D2-K): C20.1 C22.1 D2.1 D3.1 U3.1 U3.3
Net-(D3-A): D3.2 TR1.4
Net-(DS1--): C59.1 DS1.2 R308.1 U26.13
Net-(DS2-+): DS2.1 R121.1
Net-(DS2--): DS2.2 IC1.2
Net-(DS3-+): DS3.1 R37.2
Net-(DS4-+): DS4.1 R38.2
Net-(DS5-+): DS5.1 R39.2
Net-(DS6-+): DS6.1 R40.2
Net-(DS7-+): DS7.1 R41.2
Net-(DS8-+): DS8.1 R42.2
Net-(DS9-+): DS9.1 R43.2
Net-(DS10-+): DS10.1 R44.2
Net-(DS11-+): DS11.1 R45.2
Net-(DS12-+): DS12.1 R46.2
Net-(DS13-+): DS13.1 R47.2
Net-(DS14-+): DS14.1 R48.2
Net-(DS15-+): DS15.1 R49.2
Net-(DS16-+): DS16.1 R50.2
Net-(DS17-+): DS17.1 R51.2
Net-(DS18-+): DS18.1 R52.2
Net-(DS19-+): DS19.1 R89.2
Net-(DS20-+): DS20.1 R90.2
Net-(DS21-+): DS21.1 R91.2
Net-(DS22-+): DS22.1 R92.2
Net-(DS23-+): DS23.1 R93.2
Net-(DS24-+): DS24.1 R94.2
Net-(DS25-+): DS25.1 R95.2
Net-(DS26-+): DS26.1 R96.2
Net-(DS27-+): DS27.1 R97.2
Net-(DS28-+): DS28.1 R98.2
Net-(DS29-+): DS29.1 R99.2
Net-(DS30-+): DS30.1 R100.2
Net-(DS31-+): DS31.1 R101.2
Net-(DS32-+): DS32.1 R108.2
Net-(DS33-+): DS33.1 R109.2
Net-(DS34-+): DS34.1 R110.2
Net-(DS35--): DS35.2 R139.2
Net-(DS36--): DS36.2 R140.2
Net-(DS37--): C80.2 DS37.2 R107.2 R113.1
Net-(DS38--): C88.2 DS38.2 R282.2 R283.1
Net-(IC1-RB6/ICSPCLK): IC1.27 R105.2
Net-(IC1-RB7/ICSPDAT): IC1.28 R106.2
Net-(JP1-B): JP1.2 R103.2
Net-(K34-Pad3): K34.3 R285.2
Net-(PWR1-+Vin_(Vcc)): C27.1 L2.2 PWR1.1
Net-(R21-Pad2): R21.2 U6.1
Net-(R22-Pad2): R22.2 U6.3
Net-(R23-Pad2): R23.2 U6.5
Net-(R24-Pad2): R24.2 U6.7
Net-(R25-Pad2): R25.2 U7.1
Net-(R26-Pad2): R26.2 U7.3
Net-(R27-Pad2): R27.2 U7.5
Net-(R28-Pad2): R28.2 U7.7
Net-(R29-Pad2): R29.2 U8.1
Net-(R30-Pad2): R30.2 U8.3
Net-(R31-Pad2): R31.2 U8.5
Net-(R32-Pad2): R32.2 U8.7
Net-(R33-Pad2): R33.2 U9.1
Net-(R34-Pad2): R34.2 U9.3
Net-(R35-Pad2): R35.2 U9.5
Net-(R36-Pad2): R36.2 U9.7
Net-(R73-Pad2): R73.2 U10.1
Net-(R74-Pad2): R74.2 U10.3